# KiCad board latentpink.kicad_pcb (continued)
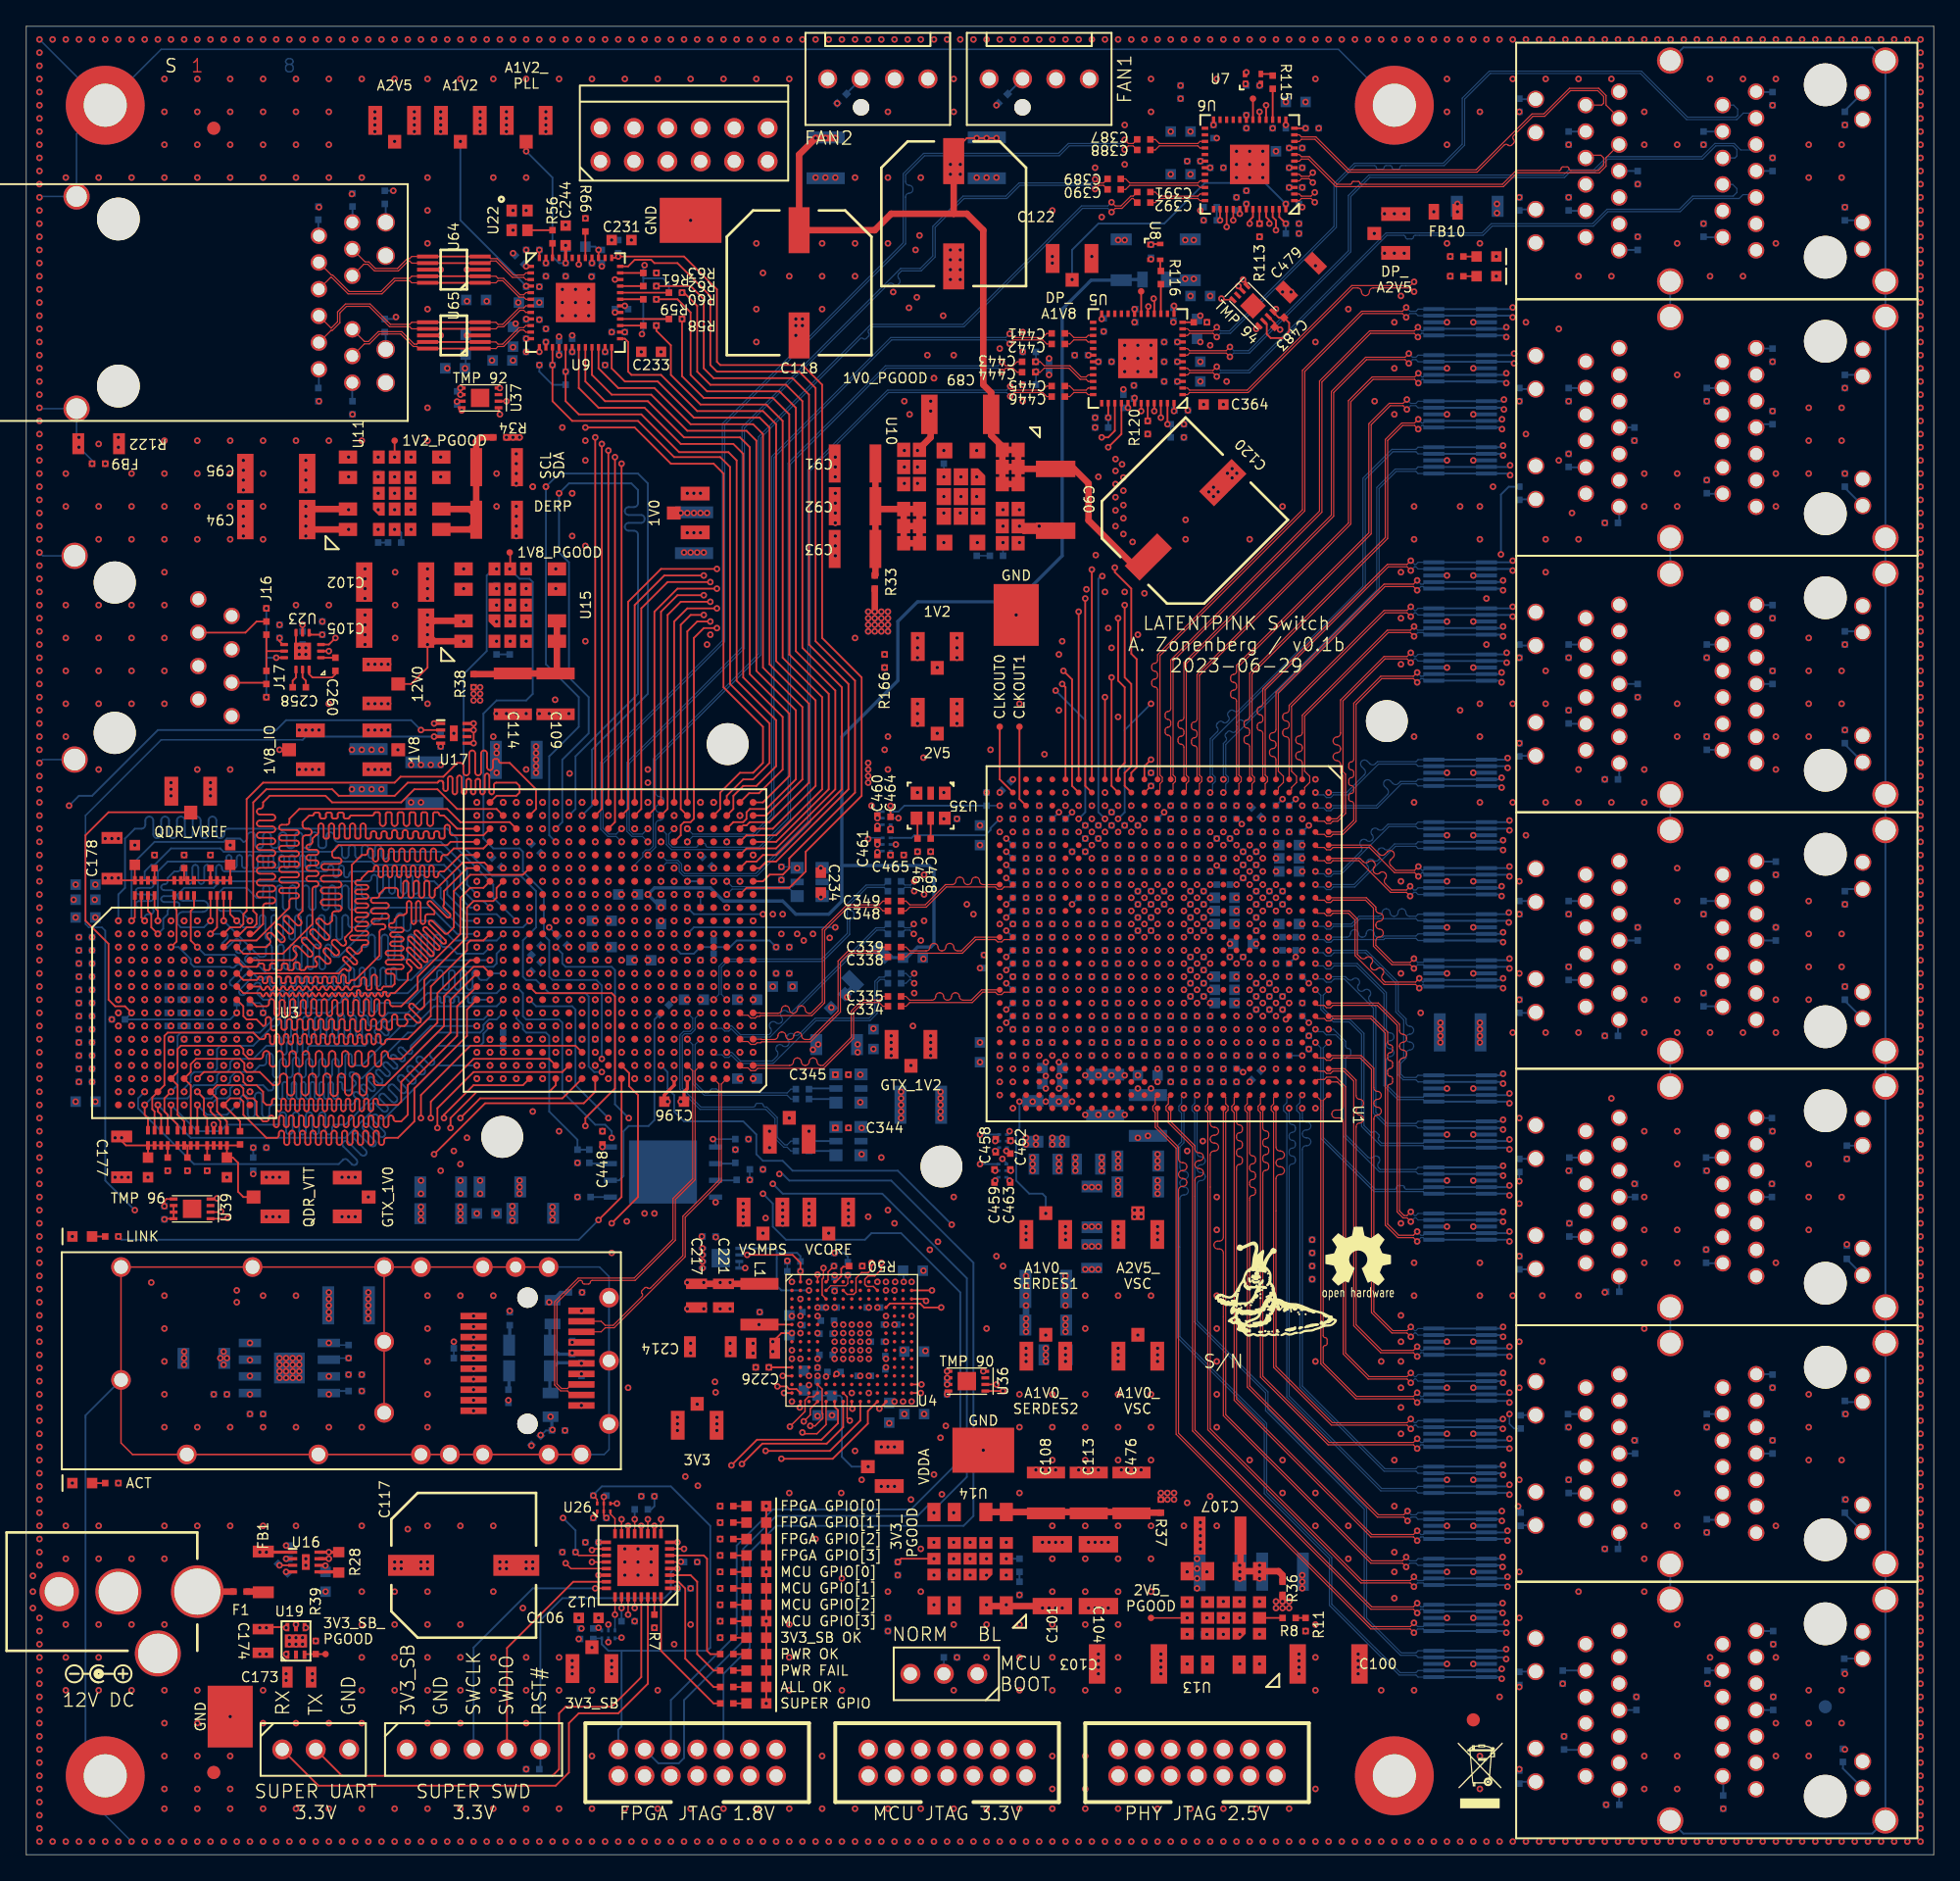
[diagram p0: board, top side]
## Routing (per net, layer and track width the routed paths; a pad name or vN(x,y) marks a point on that pad's centre or on a via; arc(x,y) is an arc through that point) (continued)
/FPGA/QDR SRAM/QDR_D7: length 45.1
  Top w0.14: U3.D11 20.25,68 20.5,68.25 arc(20.57,68.41) 20.5,68.57 20.36,68.71 arc(20.29,68.87) 20.36,69.03 arc(20.52,69.09) 20.68,69.03 21.38,68.32 arc(21.54,68.25) 21.7,68.32 arc(21.77,68.48) 21.7,68.64 20.99,69.35 arc(20.93,69.51) 20.99,69.66 arc(21.15,69.73) 21.31,69.66 22.02,68.96 arc(22.18,68.89) 22.34,68.96 arc(22.4,69.12) 22.34,69.28 21.63,69.98 arc(21.57,70.14) 21.63,70.3 arc(21.79,70.37) 21.95,70.3 22.66,69.59 arc(22.82,69.53) 22.97,69.59 arc(23.04,69.75) 22.97,69.91 22.09,70.8 arc(22.03,70.95) 22.09,71.11 arc(22.25,71.18) 22.41,71.11 22.73,70.8 arc(22.89,70.73) 23.05,70.8 23.25,71 23.25,71.5 arc(23.32,71.66) 23.48,71.72 23.74,71.72 arc(23.9,71.79) 23.97,71.95 arc(23.9,72.11) 23.74,72.17 22.61,72.17 arc(22.45,72.24) 22.38,72.4 arc(22.45,72.56) 22.61,72.62 23.74,72.62 arc(23.9,72.69) 23.97,72.85 arc(23.9,73.01) 23.74,73.08 22.61,73.08 arc(22.45,73.14) 22.38,73.3 arc(22.45,73.46) 22.61,73.53 23.74,73.53 arc(23.9,73.59) 23.97,73.75 arc(23.9,73.91) 23.74,73.97 22.61,73.97 arc(22.45,74.04) 22.38,74.2 arc(22.45,74.36) 22.61,74.42 23.74,74.42 arc(23.9,74.49) 23.97,74.65 arc(23.9,74.81) 23.74,74.88 22.66,74.88 arc(22.5,74.94) 22.43,75.1 arc(22.5,75.26) 22.66,75.33 23.74,75.33 arc(23.9,75.39) 23.97,75.55 arc(23.9,75.71) 23.74,75.78 23.48,75.78 arc(23.32,75.84) 23.25,76 23.25,76.25 23.75,76.75 32,76.75 32.25,77 U2.W22
/FPGA/QDR SRAM/QDR_D8: length 44.5
  Top w0.14: U3.C11 18.25,69 18.5,69.25 arc(18.57,69.41) 18.5,69.57 18.36,69.71 arc(18.29,69.87) 18.36,70.03 arc(18.52,70.09) 18.68,70.03 19.28,69.43 arc(19.44,69.36) 19.6,69.43 arc(19.66,69.59) 19.6,69.74 18.99,70.35 arc(18.93,70.51) 18.99,70.66 arc(19.15,70.73) 19.31,70.66 19.91,70.06 arc(20.07,70) 20.23,70.06 arc(20.3,70.22) 20.23,70.38 19.63,70.98 arc(19.57,71.14) 19.63,71.3 arc(19.79,71.37) 19.95,71.3 20.55,70.7 arc(20.71,70.63) 20.87,70.7 arc(20.93,70.86) 20.87,71.02 20.73,71.16 arc(20.66,71.32) 20.73,71.48 21,71.75 21,77.25 arc(21.07,77.43) 21.25,77.5 21.45,77.5 arc(21.63,77.57) 21.7,77.75 arc(21.63,77.93) 21.45,78 21.25,78 arc(21.07,78.07) 21,78.25 21,78.5 21.5,79 21.75,79 arc(21.83,79.03) 21.86,79.11 arc(21.9,79.19) 21.98,79.23 22.2,79.23 arc(22.28,79.19) 22.31,79.11 22.31,79 22.33,79 22.33,78.89 arc(22.36,78.81) 22.44,78.77 22.66,78.77 arc(22.74,78.81) 22.77,78.89 22.77,79.11 arc(22.81,79.19) 22.89,79.23 23.11,79.23 arc(23.19,79.19) 23.23,79.11 23.23,78.89 arc(23.26,78.81) 23.34,78.77 23.56,78.77 arc(23.64,78.81) 23.67,78.89 23.67,79.11 arc(23.71,79.19) 23.79,79.23 24.01,79.23 arc(24.09,79.19) 24.12,79.11 24.12,78.89 arc(24.16,78.81) 24.24,78.77 24.46,78.77 arc(24.54,78.81) 24.58,78.89 arc(24.61,78.97) 24.69,79 26.3,79 arc(26.39,79.04) 26.42,79.12 arc(26.46,79.21) 26.55,79.25 26.75,79.25 arc(26.84,79.21) 26.88,79.12 26.88,78.42 arc(26.94,78.27) 27.1,78.2 arc(27.26,78.27) 27.33,78.42 27.33,79.12 arc(27.36,79.21) 27.45,79.25 27.65,79.25 arc(27.74,79.21) 27.78,79.12 27.78,78.42 arc(27.84,78.27) 28,78.2 arc(28.16,78.27) 28.22,78.42 28.22,79.12 arc(28.26,79.21) 28.35,79.25 28.55,79.25 arc(28.64,79.21) 28.67,79.12 28.67,78.42 arc(28.74,78.27) 28.9,78.2 arc(29.06,78.27) 29.12,78.42 29.12,79.12 arc(29.16,79.21) 29.25,79.25 29.45,79.25 arc(29.54,79.21) 29.58,79.12 29.58,78.42 arc(29.64,78.27) 29.8,78.2 arc(29.96,78.27) 30.03,78.42 30.03,79.12 arc(30.06,79.21) 30.15,79.25 30.35,79.25 arc(30.44,79.21) 30.47,79.12 30.47,78.42 arc(30.54,78.27) 30.7,78.2 arc(30.86,78.27) 30.92,78.42 30.92,79.12 arc(30.96,79.21) 31.05,79.25 31.25,79.25 arc(31.34,79.21) 31.38,79.12 arc(31.41,79.04) 31.5,79 31.75,79 32.75,78 U2.Y22
/FPGA/QDR SRAM/QDR_D9: length 38.2
  In2.Cu w0.115: v1(36.25,60) 35.75,59.5 34,59.5 33.75,59.75 33.2,59.75 arc(33.11,59.71) 33.08,59.62 arc(33.04,59.54) 32.95,59.5 32.85,59.5 arc(32.76,59.54) 32.72,59.62 32.72,59.88 arc(32.69,59.96) 32.6,60 32.5,60 arc(32.41,59.96) 32.38,59.88 32.38,59.62 arc(32.34,59.54) 32.25,59.5 32.15,59.5 arc(32.06,59.54) 32.03,59.62 32.03,59.88 arc(31.99,59.96) 31.9,60 31.8,60 arc(31.71,59.96) 31.67,59.88 31.67,59.62 arc(31.64,59.54) 31.55,59.5 31.45,59.5 arc(31.36,59.54) 31.33,59.62 31.33,59.88 arc(31.29,59.96) 31.2,60 31.1,60 arc(31.01,59.96) 30.97,59.88 30.97,59.62 arc(30.94,59.54) 30.85,59.5 30.75,59.5 arc(30.66,59.54) 30.62,59.62 30.62,59.88 arc(30.59,59.96) 30.5,60 30.4,60 arc(30.31,59.96) 30.28,59.88 30.28,59.62 arc(30.24,59.54) 30.15,59.5 30.05,59.5 arc(29.96,59.54) 29.92,59.62 29.92,59.88 arc(29.89,59.96) 29.8,60 29.7,60 arc(29.61,59.96) 29.58,59.88 29.58,59.62 arc(29.54,59.54) 29.45,59.5 29.35,59.5 arc(29.26,59.54) 29.22,59.62 29.22,59.88 arc(29.19,59.96) 29.1,60 29,60 arc(28.91,59.96) 28.88,59.88 28.88,59.62 arc(28.84,59.54) 28.75,59.5 28.65,59.5 arc(28.56,59.54) 28.53,59.62 28.53,59.88 arc(28.49,59.96) 28.4,60 28.3,60 arc(28.21,59.96) 28.17,59.88 28.17,59.62 arc(28.14,59.54) 28.05,59.5 27.95,59.5 arc(27.86,59.54) 27.83,59.62 27.83,59.88 arc(27.79,59.96) 27.7,60 27.6,60 arc(27.51,59.96) 27.47,59.88 27.47,59.62 arc(27.44,59.54) 27.35,59.5 27.25,59.5 arc(27.16,59.54) 27.12,59.62 27.12,59.88 arc(27.09,59.96) 27,60 26.9,60 arc(26.81,59.96) 26.77,59.88 26.77,59.62 arc(26.74,59.54) 26.65,59.5 26.55,59.5 arc(26.46,59.54) 26.42,59.62 26.42,59.88 arc(26.39,59.96) 26.3,60 26.2,60 arc(26.11,59.96) 26.08,59.88 26.08,59.62 arc(26.04,59.54) 25.95,59.5 25.85,59.5 arc(25.76,59.54) 25.73,59.62 25.73,59.88 arc(25.69,59.96) 25.6,60 25.5,60 arc(25.41,59.96) 25.38,59.88 25.38,59.62 arc(25.34,59.54) 25.25,59.5 25.15,59.5 arc(25.06,59.54) 25.02,59.62 25.02,59.88 arc(24.99,59.96) 24.9,60 24.8,60 arc(24.71,59.96) 24.67,59.88 24.67,59.62 arc(24.64,59.54) 24.55,59.5 24.45,59.5 arc(24.36,59.54) 24.33,59.62 24.33,59.88 arc(24.29,59.96) 24.2,60 24.1,60 arc(24.01,59.96) 23.98,59.88 23.98,59.62 arc(23.94,59.54) 23.85,59.5 23.75,59.5 arc(23.66,59.54) 23.62,59.62 23.62,59.88 arc(23.59,59.96) 23.5,60 23.4,60 arc(23.31,59.96) 23.27,59.88 23.27,59.62 arc(23.24,59.54) 23.15,59.5 23.05,59.5 arc(22.96,59.54) 22.92,59.62 22.92,59.88 arc(22.89,59.96) 22.8,60 22.7,60 arc(22.61,59.96) 22.58,59.88 22.58,59.62 arc(22.54,59.54) 22.45,59.5 22.35,59.5 arc(22.26,59.54) 22.23,59.62 22.23,59.88 arc(22.19,59.96) 22.1,60 22,60 arc(21.91,59.96) 21.88,59.88 arc(21.84,59.79) 21.75,59.75 21.5,59.75 20.25,58.5 20.05,58.5 arc(19.93,58.55) 19.88,58.67 19.88,58.83 arc(19.82,58.95) 19.7,59 arc(19.58,58.95) 19.52,58.83 19.52,58.38 arc(19.49,58.29) 19.4,58.25 19.3,58.25 arc(19.21,58.29) 19.17,58.38 19.17,58.83 arc(19.12,58.95) 19,59 arc(18.88,58.95) 18.83,58.83 18.83,58.38 arc(18.79,58.29) 18.7,58.25 18.6,58.25 arc(18.51,58.29) 18.48,58.38 18.48,58.83 arc(18.42,58.95) 18.3,59 arc(18.18,58.95) 18.12,58.83 18.12,58.38 arc(18.09,58.29) 18,58.25 17.9,58.25 arc(17.81,58.29) 17.77,58.38 17.77,58.83 arc(17.72,58.95) 17.6,59 arc(17.48,58.95) 17.42,58.83 17.42,58.67 arc(17.37,58.55) 17.25,58.5 16.5,58.5 v1(16,59)
/FPGA/QDR SRAM/QDR_D10: length 42.3
  In5.Cu w0.115: v1(39.25,63) 38.85,62.6 33.35,62.6 31.75,61 27.75,61 27.07,60.32 arc(26.96,60.27) 26.85,60.32 26.79,60.38 arc(26.68,60.43) 26.57,60.38 arc(26.53,60.28) 26.57,60.17 26.64,60.1 arc(26.69,60) 26.64,59.89 26.5,59.75 26.25,59.75 arc(26.14,59.71) 26.1,59.6 26.1,59.5 arc(26.06,59.4) 25.95,59.35 arc(25.84,59.4) 25.8,59.5 25.8,60 arc(25.76,60.1) 25.65,60.15 arc(25.54,60.1) 25.5,60 25.5,59.5 arc(25.46,59.4) 25.35,59.35 arc(25.24,59.4) 25.2,59.5 25.2,60 arc(25.16,60.1) 25.05,60.15 arc(24.94,60.1) 24.9,60 24.9,59.5 arc(24.86,59.4) 24.75,59.35 arc(24.64,59.4) 24.6,59.5 24.6,60 arc(24.56,60.1) 24.45,60.15 arc(24.34,60.1) 24.3,60 24.3,59.5 arc(24.26,59.4) 24.15,59.35 arc(24.04,59.4) 24,59.5 24,60 arc(23.96,60.1) 23.85,60.15 arc(23.74,60.1) 23.7,60 23.7,59.5 arc(23.66,59.4) 23.55,59.35 arc(23.44,59.4) 23.4,59.5 23.4,60 arc(23.36,60.1) 23.25,60.15 arc(23.14,60.1) 23.1,60 23.1,59.5 arc(23.06,59.4) 22.95,59.35 arc(22.84,59.4) 22.8,59.5 22.8,60 arc(22.76,60.1) 22.65,60.15 arc(22.54,60.1) 22.5,60 22.5,59.5 arc(22.46,59.4) 22.35,59.35 arc(22.24,59.4) 22.2,59.5 22.2,60 arc(22.16,60.1) 22.05,60.15 arc(21.94,60.1) 21.9,60 21.9,59.5 arc(21.86,59.4) 21.75,59.35 arc(21.64,59.4) 21.6,59.5 21.6,60 arc(21.56,60.1) 21.45,60.15 arc(21.34,60.1) 21.3,60 21.3,59.5 arc(21.26,59.4) 21.15,59.35 arc(21.04,59.4) 21,59.5 21,60 arc(20.96,60.1) 20.85,60.15 arc(20.74,60.1) 20.7,60 20.7,59.5 arc(20.66,59.4) 20.55,59.35 arc(20.44,59.4) 20.4,59.5 20.4,60 arc(20.36,60.1) 20.25,60.15 arc(20.14,60.1) 20.1,60 20.1,59.5 arc(20.06,59.4) 19.95,59.35 arc(19.84,59.4) 19.8,59.5 19.8,60 arc(19.76,60.1) 19.65,60.15 arc(19.54,60.1) 19.5,60 19.5,59.5 arc(19.46,59.4) 19.35,59.35 arc(19.24,59.4) 19.2,59.5 19.2,60 arc(19.16,60.1) 19.05,60.15 arc(18.94,60.1) 18.9,60 18.9,59.9 arc(18.86,59.79) 18.75,59.75 18.55,59.75 18.2,59.4 15.6,59.4 v1(15,60)
/FPGA/QDR SRAM/QDR_D11: length 41.3
  In5.Cu w0.115: v1(15,61) 15.5,60.5 17.9,60.5 19.9,62.5 21.9,62.5 arc(22.11,62.59) 22.2,62.8 arc(22.29,63.01) 22.5,63.1 arc(22.71,63.01) 22.8,62.8 22.8,62.3 arc(22.86,62.16) 23,62.1 23.2,62.1 arc(23.34,62.16) 23.4,62.3 23.4,62.8 arc(23.49,63.01) 23.7,63.1 arc(23.91,63.01) 24,62.8 24,62.35 arc(24.04,62.24) 24.15,62.2 24.45,62.2 arc(24.56,62.24) 24.6,62.35 24.6,62.8 arc(24.69,63.01) 24.9,63.1 arc(25.11,63.01) 25.2,62.8 25.2,62.2 arc(25.29,61.99) 25.5,61.9 arc(25.71,61.99) 25.8,62.2 25.8,62.8 arc(25.89,63.01) 26.1,63.1 arc(26.31,63.01) 26.4,62.8 26.4,62.2 arc(26.49,61.99) 26.7,61.9 arc(26.91,61.99) 27,62.2 27,62.8 arc(27.09,63.01) 27.3,63.1 arc(27.51,63.01) 27.6,62.8 27.6,62.2 arc(27.69,61.99) 27.9,61.9 arc(28.11,61.99) 28.2,62.2 28.2,62.8 arc(28.29,63.01) 28.5,63.1 arc(28.71,63.01) 28.8,62.8 28.8,62.2 arc(28.89,61.99) 29.1,61.9 arc(29.31,61.99) 29.4,62.2 29.4,62.8 arc(29.49,63.01) 29.7,63.1 arc(29.91,63.01) 30,62.8 30,62.2 arc(30.09,61.99) 30.3,61.9 arc(30.51,61.99) 30.6,62.2 30.6,62.8 arc(30.69,63.01) 30.9,63.1 arc(31.11,63.01) 31.2,62.8 arc(31.29,62.59) 31.5,62.5 31.75,62.5 33.75,64.5 39.5,64.5 39.75,64.25 39.75,63.5 v1(40.25,63)
/FPGA/QDR SRAM/QDR_D12: length 48.9
  In2.Cu w0.115: v1(40.25,67) 40.25,67.5 39.75,68 39.75,69.25 39.5,69.5 34,69.5 33.25,70.25 27.25,70.25 27,70.5 26.55,70.5 arc(26.43,70.45) 26.38,70.33 26.38,69.77 arc(26.32,69.65) 26.2,69.59 arc(26.08,69.65) 26.02,69.77 26.02,70.78 arc(25.97,70.9) 25.85,70.96 arc(25.73,70.9) 25.67,70.78 25.67,69.77 arc(25.62,69.65) 25.5,69.59 arc(25.38,69.65) 25.33,69.77 25.33,70.78 arc(25.27,70.9) 25.15,70.96 arc(25.03,70.9) 24.98,70.78 24.98,69.77 arc(24.92,69.65) 24.8,69.59 arc(24.68,69.65) 24.62,69.77 24.62,70.78 arc(24.57,70.9) 24.45,70.96 arc(24.33,70.9) 24.27,70.78 24.27,69.77 arc(24.22,69.65) 24.1,69.59 arc(23.98,69.65) 23.92,69.77 23.92,70.88 arc(23.87,71) 23.75,71.06 arc(23.63,71) 23.58,70.88 23.58,69.77 arc(23.52,69.65) 23.4,69.59 arc(23.28,69.65) 23.23,69.77 23.23,71.23 arc(23.17,71.35) 23.05,71.41 arc(22.93,71.35) 22.88,71.23 22.88,69.77 arc(22.82,69.65) 22.7,69.59 arc(22.58,69.65) 22.52,69.77 22.52,71.23 arc(22.47,71.35) 22.35,71.41 arc(22.23,71.35) 22.17,71.23 22.17,70.67 arc(22.12,70.55) 22,70.5 21.75,70.5 21.5,70.25 21.5,69.5 20.75,68.75 20.25,68.75 19.5,68 19.5,66.25 17.75,64.5 16.75,64.5 16.5,64.25 16.5,63.94 16.06,63.5 15.5,63.5 v1(15,63)
/FPGA/QDR SRAM/QDR_D13: length 50.8
  Top w0.14: U3.G10 16.5,64.5 16.5,63.75 16.75,63.5 17.5,63.5 18,63 arc(18.14,63.06) 18.2,63.2 18.2,63.49 arc(18.26,63.63) 18.4,63.69 arc(18.54,63.63) 18.6,63.49 18.6,62.83 arc(18.65,62.71) 18.77,62.66 18.83,62.66 arc(18.95,62.71) 19,62.83 19,63.34 arc(19.06,63.48) 19.2,63.54 arc(19.34,63.48) 19.4,63.34 19.4,62.86 arc(19.44,62.76) 19.54,62.71 19.66,62.71 arc(19.76,62.76) 19.8,62.86 19.8,63.34 arc(19.86,63.48) 20,63.54 arc(20.14,63.48) 20.2,63.34 20.2,62.86 arc(20.24,62.76) 20.34,62.71 20.46,62.71 arc(20.56,62.76) 20.6,62.86 20.6,63.34 arc(20.66,63.48) 20.8,63.54 arc(20.94,63.48) 21,63.34 21,62.86 arc(21.04,62.76) 21.14,62.71 21.26,62.71 arc(21.36,62.76) 21.4,62.86 21.4,63.34 arc(21.46,63.48) 21.6,63.54 arc(21.74,63.48) 21.8,63.34 21.8,62.86 arc(21.84,62.76) 21.94,62.71 22.06,62.71 arc(22.16,62.76) 22.2,62.86 22.2,63.34 arc(22.26,63.48) 22.4,63.54 arc(22.54,63.48) 22.6,63.34 22.6,62.86 arc(22.64,62.76) 22.74,62.71 22.86,62.71 arc(22.96,62.76) 23,62.86 23,63.34 arc(23.06,63.48) 23.2,63.54 arc(23.34,63.48) 23.4,63.34 23.4,62.86 arc(23.44,62.76) 23.54,62.71 23.66,62.71 arc(23.76,62.76) 23.8,62.86 23.8,63.34 arc(23.86,63.48) 24,63.54 arc(24.14,63.48) 24.2,63.34 24.2,62.83 arc(24.25,62.71) 24.37,62.66 24.43,62.66 arc(24.55,62.71) 24.6,62.83 24.6,63.34 arc(24.66,63.48) 24.8,63.54 arc(24.94,63.48) 25,63.34 25,62.76 arc(25.06,62.62) 25.2,62.56 arc(25.34,62.62) 25.4,62.76 25.4,63.34 arc(25.46,63.48) 25.6,63.54 arc(25.74,63.48) 25.8,63.34 25.8,62.83 arc(25.85,62.71) 25.97,62.66 26.03,62.66 arc(26.15,62.71) 26.2,62.83 26.2,63.34 arc(26.26,63.48) 26.4,63.54 arc(26.54,63.48) 26.6,63.34 26.6,62.86 arc(26.64,62.76) 26.74,62.71 26.86,62.71 arc(26.96,62.76) 27,62.86 27,63.34 arc(27.06,63.48) 27.2,63.54 arc(27.34,63.48) 27.4,63.34 27.4,62.86 arc(27.44,62.76) 27.54,62.71 27.66,62.71 arc(27.76,62.76) 27.8,62.86 27.8,63.69 arc(27.86,63.83) 28,63.89 arc(28.14,63.83) 28.2,63.69 28.2,63.2 arc(28.26,63.06) 28.4,63 28.75,63 28.93,63.18 arc(28.99,63.32) 28.93,63.46 28.83,63.56 arc(28.77,63.7) 28.83,63.84 arc(28.97,63.9) 29.11,63.84 29.66,63.29 arc(29.8,63.23) 29.94,63.29 arc(30,63.43) 29.94,63.58 29.15,64.37 arc(29.09,64.51) 29.15,64.65 arc(29.29,64.71) 29.43,64.65 29.78,64.31 arc(29.92,64.25) 30.06,64.31 30.25,64.5 30.25,66.5 33.5,69.75 33.5,72 34,72.5 35.5,72.5 35.75,72.75 35.75,73.5 U2.T20
/FPGA/QDR SRAM/QDR_D14: length 48.3
  In2.Cu w0.115: v1(15,66) 16,66 arc(16.04,66.11) 16,66.21 arc(15.96,66.32) 16,66.42 arc(16.11,66.47) 16.21,66.42 16.88,65.75 arc(16.99,65.71) 17.1,65.75 arc(17.14,65.86) 17.1,65.96 16.42,66.64 arc(16.38,66.74) 16.42,66.85 arc(16.53,66.89) 16.64,66.85 17.31,66.18 arc(17.41,66.13) 17.52,66.18 arc(17.56,66.28) 17.52,66.39 16.85,67.06 arc(16.8,67.17) 16.85,67.27 arc(16.95,67.32) 17.06,67.27 17.73,66.6 arc(17.84,66.56) 17.94,66.6 arc(17.99,66.71) 17.94,66.81 17.48,67.27 arc(17.44,67.38) 17.48,67.48 17.75,67.75 17.75,68.5 19.25,70 19.25,70.1 arc(19.29,70.21) 19.4,70.25 19.95,70.25 arc(20.06,70.29) 20.1,70.4 arc(20.06,70.51) 19.95,70.55 19.15,70.55 arc(19.08,70.58) 19.05,70.65 19.05,70.75 arc(19.08,70.82) 19.15,70.85 19.95,70.85 arc(20.06,70.89) 20.1,71 arc(20.06,71.11) 19.95,71.15 19.15,71.15 arc(19.08,71.18) 19.05,71.25 19.05,71.35 arc(19.08,71.42) 19.15,71.45 19.95,71.45 arc(20.06,71.49) 20.1,71.6 arc(20.06,71.71) 19.95,71.75 19.15,71.75 arc(19.08,71.78) 19.05,71.85 19.05,71.95 arc(19.08,72.02) 19.15,72.05 19.95,72.05 arc(20.06,72.09) 20.1,72.2 arc(20.06,72.31) 19.95,72.35 19.4,72.35 arc(19.29,72.39) 19.25,72.5 19.25,73 19.5,73.25 21.75,73.25 22.25,72.75 33.5,72.75 33.75,72.5 34.55,72.5 35.55,73.5 37.75,73.5 38.25,74 38.25,74.5 38.75,75 38.75,75.25 39,75.5 41.75,75.5 v1(42.25,76)
/FPGA/QDR SRAM/QDR_D15: length 45.7
  Top w0.14: U2.W21 34.75,76.5 32.5,76.5 32,76 31.75,76 arc(31.61,75.94) 31.55,75.8 31.55,75.7 arc(31.49,75.56) 31.35,75.5 arc(31.21,75.56) 31.15,75.7 31.15,76.3 arc(31.09,76.44) 30.95,76.5 arc(30.81,76.44) 30.75,76.3 30.75,75.7 arc(30.69,75.56) 30.55,75.5 arc(30.41,75.56) 30.35,75.7 30.35,76.3 arc(30.29,76.44) 30.15,76.5 arc(30.01,76.44) 29.95,76.3 29.95,75.7 arc(29.89,75.56) 29.75,75.5 arc(29.61,75.56) 29.55,75.7 29.55,76.3 arc(29.49,76.44) 29.35,76.5 arc(29.21,76.44) 29.15,76.3 29.15,75.7 arc(29.09,75.56) 28.95,75.5 arc(28.81,75.56) 28.75,75.7 28.75,76.3 arc(28.69,76.44) 28.55,76.5 arc(28.41,76.44) 28.35,76.3 28.35,75.7 arc(28.29,75.56) 28.15,75.5 arc(28.01,75.56) 27.95,75.7 27.95,76.3 arc(27.89,76.44) 27.75,76.5 arc(27.61,76.44) 27.55,76.3 27.55,75.7 arc(27.49,75.56) 27.35,75.5 arc(27.21,75.56) 27.15,75.7 27.15,76.3 arc(27.09,76.44) 26.95,76.5 arc(26.81,76.44) 26.75,76.3 26.75,75.7 arc(26.69,75.56) 26.55,75.5 arc(26.41,75.56) 26.35,75.7 26.35,76.3 arc(26.29,76.44) 26.15,76.5 arc(26.01,76.44) 25.95,76.3 25.95,76.2 arc(25.89,76.06) 25.75,76 25.5,76 24.75,75.25 24.75,70.25 24.26,69.76 arc(24.2,69.62) 24.26,69.47 arc(24.32,69.33) 24.26,69.18 24.23,69.16 arc(24.09,69.1) 23.94,69.16 23.6,69.5 arc(23.44,69.57) 23.28,69.5 arc(23.21,69.34) 23.28,69.18 23.72,68.75 arc(23.78,68.59) 23.72,68.43 arc(23.56,68.36) 23.4,68.43 22.96,68.86 arc(22.8,68.93) 22.64,68.86 arc(22.58,68.71) 22.64,68.55 23.08,68.11 arc(23.15,67.95) 23.08,67.79 arc(22.92,67.72) 22.76,67.79 22.33,68.23 arc(22.17,68.29) 22.01,68.23 arc(21.94,68.07) 22.01,67.91 22.05,67.87 arc(22.12,67.71) 22.05,67.55 22,67.5 21.35,67.5 arc(21.26,67.46) 21.23,67.38 arc(21.19,67.29) 21.1,67.25 20.9,67.25 arc(20.81,67.29) 20.77,67.38 20.77,67.67 arc(20.72,67.8) 20.6,67.85 20.5,67.85 arc(20.38,67.8) 20.33,67.67 20.33,67.38 arc(20.29,67.29) 20.2,67.25 20,67.25 arc(19.91,67.29) 19.88,67.38 19.88,67.62 arc(19.84,67.71) 19.75,67.75 19.55,67.75 arc(19.46,67.71) 19.42,67.62 19.42,67.38 arc(19.39,67.29) 19.3,67.25 19.1,67.25 arc(19.01,67.29) 18.98,67.38 18.98,67.62 arc(18.94,67.71) 18.85,67.75 18.65,67.75 arc(18.56,67.71) 18.52,67.62 18.52,67.38 arc(18.49,67.29) 18.4,67.25 18.2,67.25 arc(18.11,67.29) 18.08,67.38 18.08,67.62 arc(18.04,67.71) 17.95,67.75 17.75,67.75 arc(17.66,67.71) 17.62,67.62 arc(17.59,67.54) 17.5,67.5 16.5,67.5 U3.D10
/FPGA/QDR SRAM/QDR_D16: length 49.7
  Top w0.14: U2.Y19 36.75,78.5 33,78.5 32,79.5 20.75,79.5 20,78.75 20,78.5 arc(19.94,78.36) 19.8,78.3 19.42,78.3 arc(19.28,78.24) 19.22,78.1 arc(19.28,77.96) 19.42,77.9 20.53,77.9 arc(20.67,77.84) 20.73,77.7 arc(20.67,77.56) 20.53,77.5 19.42,77.5 arc(19.28,77.44) 19.22,77.3 arc(19.28,77.16) 19.42,77.1 20.53,77.1 arc(20.67,77.04) 20.73,76.9 arc(20.67,76.76) 20.53,76.7 19.42,76.7 arc(19.28,76.64) 19.22,76.5 arc(19.28,76.36) 19.42,76.3 20.53,76.3 arc(20.67,76.24) 20.73,76.1 arc(20.67,75.96) 20.53,75.9 19.42,75.9 arc(19.28,75.84) 19.22,75.7 arc(19.28,75.56) 19.42,75.5 20.53,75.5 arc(20.67,75.44) 20.73,75.3 arc(20.67,75.16) 20.53,75.1 19.42,75.1 arc(19.28,75.04) 19.22,74.9 arc(19.28,74.76) 19.42,74.7 20.53,74.7 arc(20.67,74.64) 20.73,74.5 arc(20.67,74.36) 20.53,74.3 19.42,74.3 arc(19.28,74.24) 19.22,74.1 arc(19.28,73.96) 19.42,73.9 20.53,73.9 arc(20.67,73.84) 20.73,73.7 arc(20.67,73.56) 20.53,73.5 19.42,73.5 arc(19.28,73.44) 19.22,73.3 arc(19.28,73.16) 19.42,73.1 20.53,73.1 arc(20.67,73.04) 20.73,72.9 arc(20.67,72.76) 20.53,72.7 20.2,72.7 arc(20.06,72.64) 20,72.5 20,72 17.5,69.5 15.5,69.5 U3.C9
/FPGA/QDR SRAM/QDR_D17: length 45.6
  Top w0.14: U2.AA18 38.75,79.5 38.75,81 36.75,83 36.08,83 arc(35.97,83.04) 35.92,83.15 arc(35.88,83.26) 35.78,83.3 35.62,83.3 arc(35.52,83.26) 35.47,83.15 35.47,82.67 arc(35.41,82.52) 35.25,82.45 arc(35.09,82.52) 35.03,82.67 35.03,83.72 arc(34.96,83.88) 34.8,83.95 arc(34.64,83.88) 34.58,83.72 34.58,82.28 arc(34.51,82.12) 34.35,82.05 arc(34.19,82.12) 34.12,82.28 34.12,83.72 arc(34.06,83.88) 33.9,83.95 arc(33.74,83.88) 33.67,83.72 33.67,82.28 arc(33.61,82.12) 33.45,82.05 arc(33.29,82.12) 33.22,82.28 33.22,82.78 arc(33.16,82.93) 33,83 32.75,83 31.7,81.95 28.45,81.95 28,81.5 18,81.5 16.75,80.25 16.75,71.75 16.5,71.5 16.5,70.75 16.25,70.5 15.5,70.5 U3.B9
/FPGA/QDR SRAM/QDR_D18: length 43.2
  In2.Cu w0.115: v1(38.25,78) 37.75,78.5 37.75,80.75 36.75,81.75 15,81.75 14.75,82 10.75,82 10.25,81.5 10.25,73.5 9.5,72.75 9.5,70.5 v1(9,70)
/FPGA/QDR SRAM/QDR_D19: length 38.8
  In2.Cu w0.115: v1(36.25,80) 35,81.25 28.75,81.25 27.91,80.41 24.59,80.41 24,81 15.5,81 14.53,80.03 11.53,80.03 10.84,79.34 10.84,73.41 10.5,73.06 10.5,69.75 10.25,69.5 9.5,69.5 v1(9,69)
/FPGA/QDR SRAM/QDR_D20: length 46.1
  In5.Cu w0.115: v1(8,68) 8.5,68.5 18,68.5 21.25,71.75 21.5,71.75 arc(21.62,71.8) 21.67,71.92 arc(21.73,72.05) 21.85,72.1 22.1,72.1 arc(22.22,72.05) 22.27,71.92 22.27,71.58 arc(22.33,71.45) 22.45,71.4 22.7,71.4 arc(22.82,71.45) 22.88,71.58 22.88,71.92 arc(22.93,72.05) 23.05,72.1 23.3,72.1 arc(23.42,72.05) 23.48,71.92 23.48,71.58 arc(23.53,71.45) 23.65,71.4 23.9,71.4 arc(24.02,71.45) 24.08,71.58 24.08,71.92 arc(24.13,72.05) 24.25,72.1 24.5,72.1 arc(24.62,72.05) 24.67,71.92 24.67,71.58 arc(24.73,71.45) 24.85,71.4 25.1,71.4 arc(25.22,71.45) 25.27,71.58 25.27,71.92 arc(25.33,72.05) 25.45,72.1 25.7,72.1 arc(25.82,72.05) 25.88,71.92 25.88,71.58 arc(25.93,71.45) 26.05,71.4 26.3,71.4 arc(26.42,71.45) 26.48,71.58 26.48,71.92 arc(26.53,72.05) 26.65,72.1 26.9,72.1 arc(27.02,72.05) 27.08,71.92 27.08,71.58 arc(27.13,71.45) 27.25,71.4 27.5,71.4 arc(27.62,71.45) 27.67,71.58 27.67,71.92 arc(27.73,72.05) 27.85,72.1 28.1,72.1 arc(28.22,72.05) 28.28,71.92 28.28,71.58 arc(28.33,71.45) 28.45,71.4 28.7,71.4 arc(28.82,71.45) 28.88,71.58 28.88,71.92 arc(28.93,72.05) 29.05,72.1 29.3,72.1 arc(29.42,72.05) 29.47,71.92 29.47,71.58 arc(29.53,71.45) 29.65,71.4 29.9,71.4 arc(30.02,71.45) 30.08,71.58 30.08,71.92 arc(30.13,72.05) 30.25,72.1 30.5,72.1 arc(30.62,72.05) 30.67,71.92 arc(30.73,71.8) 30.85,71.75 31.5,71.75 32,72.25 32,74 34.5,76.5 40.75,76.5 v1(41.25,77)
/FPGA/QDR SRAM/QDR_D21: length 44.6
  In2.Cu w0.115: v1(37.25,74) 35.15,74 34.65,73.5 34,73.5 33.75,73.25 33,73.25 arc(32.93,73.28) 32.9,73.35 arc(32.87,73.42) 32.8,73.45 32.7,73.45 arc(32.63,73.42) 32.6,73.35 32.6,73.15 arc(32.57,73.08) 32.5,73.05 32.4,73.05 arc(32.33,73.08) 32.3,73.15 32.3,73.35 arc(32.27,73.42) 32.2,73.45 32.1,73.45 arc(32.03,73.42) 32,73.35 32,73.15 arc(31.97,73.08) 31.9,73.05 31.8,73.05 arc(31.73,73.08) 31.7,73.15 31.7,73.35 arc(31.67,73.42) 31.6,73.45 31.5,73.45 arc(31.43,73.42) 31.4,73.35 31.4,73.15 arc(31.37,73.08) 31.3,73.05 31.2,73.05 arc(31.13,73.08) 31.1,73.15 31.1,73.35 arc(31.07,73.42) 31,73.45 30.9,73.45 arc(30.83,73.42) 30.8,73.35 30.8,73.15 arc(30.77,73.08) 30.7,73.05 30.6,73.05 arc(30.53,73.08) 30.5,73.15 30.5,73.35 arc(30.47,73.42) 30.4,73.45 30.3,73.45 arc(30.23,73.42) 30.2,73.35 30.2,73.15 arc(30.17,73.08) 30.1,73.05 30,73.05 arc(29.93,73.08) 29.9,73.15 29.9,73.35 arc(29.87,73.42) 29.8,73.45 29.7,73.45 arc(29.63,73.42) 29.6,73.35 29.6,73.15 arc(29.57,73.08) 29.5,73.05 29.4,73.05 arc(29.33,73.08) 29.3,73.15 29.3,73.35 arc(29.27,73.42) 29.2,73.45 29.1,73.45 arc(29.03,73.42) 29,73.35 29,73.15 arc(28.97,73.08) 28.9,73.05 28.8,73.05 arc(28.73,73.08) 28.7,73.15 28.7,73.35 arc(28.67,73.42) 28.6,73.45 28.5,73.45 arc(28.43,73.42) 28.4,73.35 28.4,73.15 arc(28.37,73.08) 28.3,73.05 28.2,73.05 arc(28.13,73.08) 28.1,73.15 28.1,73.35 arc(28.07,73.42) 28,73.45 27.9,73.45 arc(27.83,73.42) 27.8,73.35 27.8,73.15 arc(27.77,73.08) 27.7,73.05 27.6,73.05 arc(27.53,73.08) 27.5,73.15 27.5,73.35 arc(27.47,73.42) 27.4,73.45 27.3,73.45 arc(27.23,73.42) 27.2,73.35 27.2,73.15 arc(27.17,73.08) 27.1,73.05 27,73.05 arc(26.93,73.08) 26.9,73.15 26.9,73.35 arc(26.87,73.42) 26.8,73.45 26.7,73.45 arc(26.63,73.42) 26.6,73.35 26.6,73.15 arc(26.57,73.08) 26.5,73.05 26.4,73.05 arc(26.33,73.08) 26.3,73.15 26.3,73.35 arc(26.27,73.42) 26.2,73.45 26.1,73.45 arc(26.03,73.42) 26,73.35 26,73.15 arc(25.97,73.08) 25.9,73.05 25.8,73.05 arc(25.73,73.08) 25.7,73.15 25.7,73.35 arc(25.67,73.42) 25.6,73.45 25.5,73.45 arc(25.43,73.42) 25.4,73.35 25.4,73.15 arc(25.37,73.08) 25.3,73.05 25.2,73.05 arc(25.13,73.08) 25.1,73.15 25.1,73.35 arc(25.07,73.42) 25,73.45 24.9,73.45 arc(24.83,73.42) 24.8,73.35 24.8,73.15 arc(24.77,73.08) 24.7,73.05 24.6,73.05 arc(24.53,73.08) 24.5,73.15 24.5,73.35 arc(24.47,73.42) 24.4,73.45 24.3,73.45 arc(24.23,73.42) 24.2,73.35 24.2,73.15 arc(24.17,73.08) 24.1,73.05 24,73.05 arc(23.93,73.08) 23.9,73.15 23.9,73.35 arc(23.87,73.42) 23.8,73.45 23.7,73.45 arc(23.63,73.42) 23.6,73.35 23.6,73.15 arc(23.57,73.08) 23.5,73.05 23.4,73.05 arc(23.33,73.08) 23.3,73.15 23.3,73.35 arc(23.27,73.42) 23.2,73.45 23.1,73.45 arc(23.03,73.42) 23,73.35 arc(22.97,73.28) 22.9,73.25 22.5,73.25 22,73.75 19,73.75 18.75,73.5 18.75,70.25 17.25,68.75 17.25,68 15.75,66.5 9.5,66.5 v1(9,66)
